# Altium PCB MCU.PcbDoc (part 2 of 3)
Units mm, origin at the board's own origin, x right, y up, seen from the top; angles counter-clockwise.
Board outline 100 x 100 mm, 4 copper layers (Top Layer, GND, Power, Bottom Layer), stack 1.586 mm thick; 181 components, 168 nets, 706 pads, 351 vias.
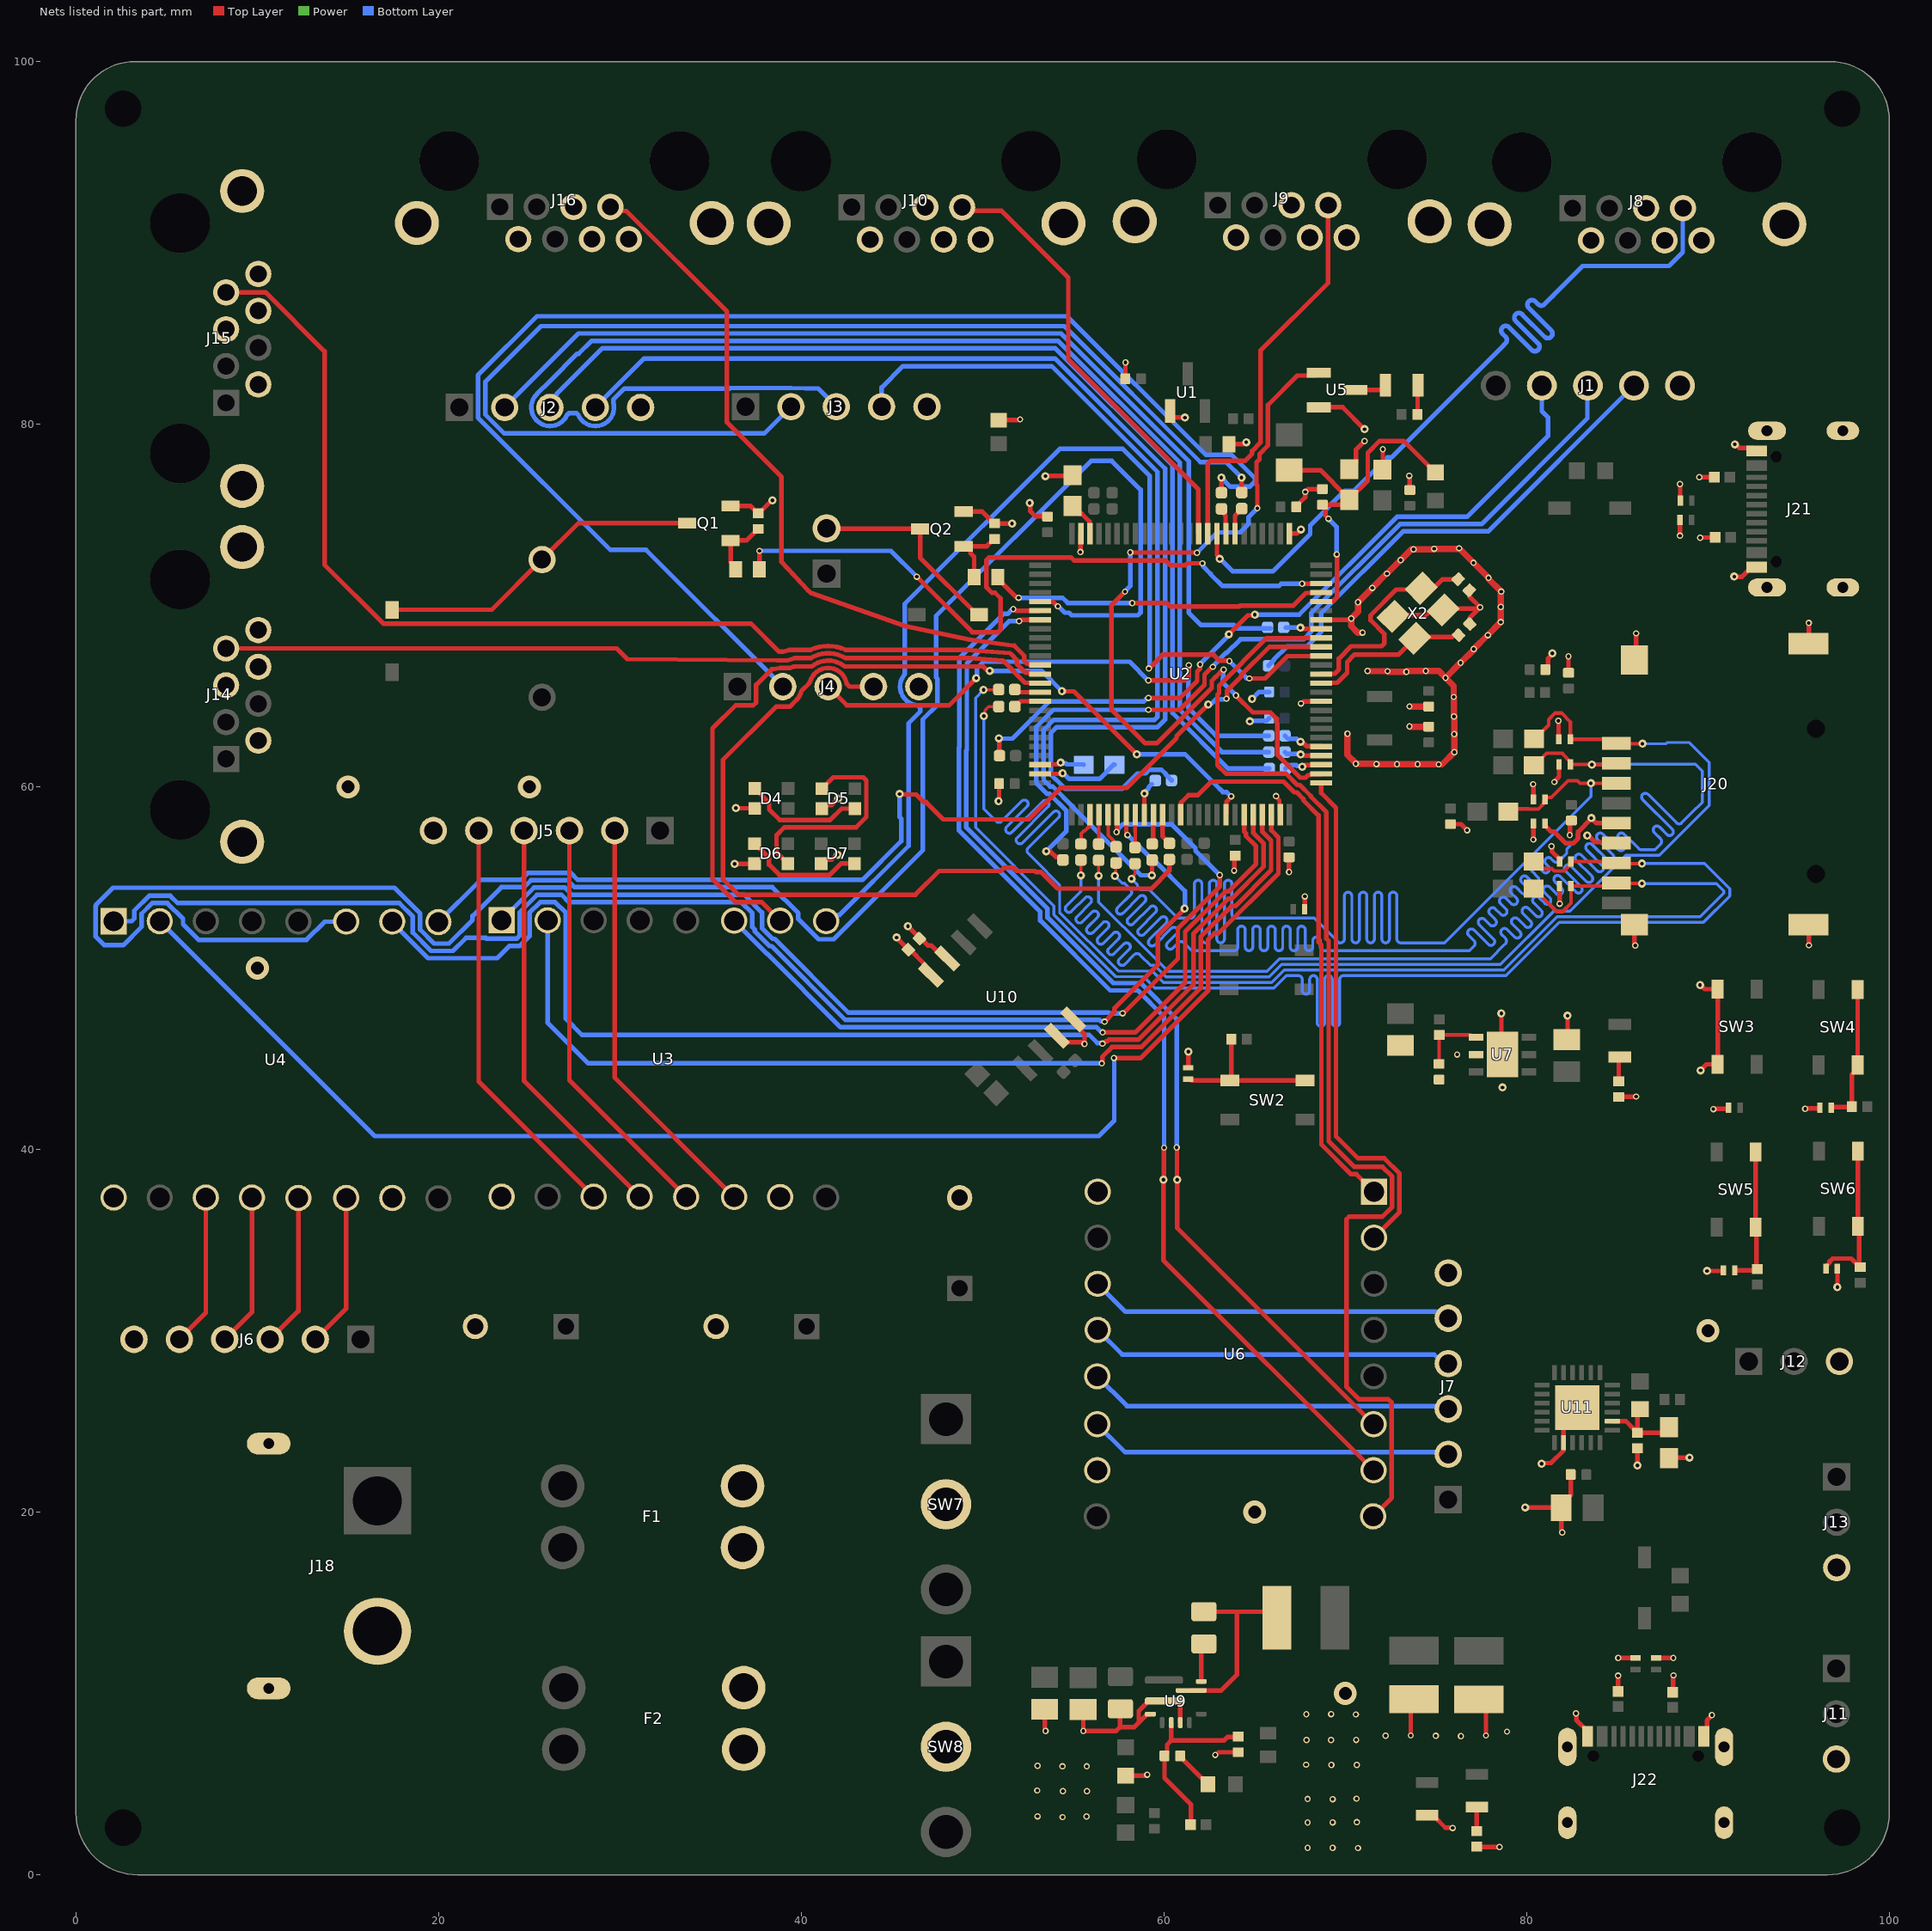
[diagram p4: the nets of this part, all layers, seen from the top]

## Via types
v1: diameter 0.35, hole 0.2, Top Layer to Bottom Layer, 187 vias
v2: diameter 0.45, hole 0.2, Top Layer to Bottom Layer, 141 vias
v3: diameter 0.6, hole 0.3, Top Layer to Bottom Layer, 17 vias
v4: diameter 1.27, hole 0.711, Top Layer to Bottom Layer, 6 vias

## Nets (pads, with @x,y where several pads share a name; then routed paths per layer and width w, separated by ;. In a path a pad name is that pad's centre, name@x,y a point inside that pad or via, vN(x,y) a via of type N, cw(c..) or ccw(c..) an arc to the next point about the centre after c; other vN are vias at no path point) (continued)
Buzzer: R2.1 U2.23 | length 39.9
  Top Layer w0.254: R2.1@37.68,72.01 37.69,72.02 37.69,73.01 v1(37.7,73.02) ; v1(46.37,71.59) 49.43,68.53 50.841,68.53 50.99,68.679 50.99,70.4 50.682,70.708 50.511,70.708 50.2,71.018 50.2,72.509 50.349,72.658 54.876,72.658 55.054,72.48 60.103,72.48 60.366,72.218 61.174,72.218 61.286,72.33 v1(62.12,72.33) ; v1(67.62,71.202) 67.629,71.211 68.661,71.211 U2.23@68.67,71.22
  Bottom Layer w0.254: v1(37.7,73.02) 44.94,73.02 v1(46.37,71.59) ; v1(62.12,72.33) 62.138,72.312 62.138,72.188 62.579,71.748 62.579,71.721 63.222,71.078 66.341,71.078 66.465,71.202 v1(67.62,71.202)
GND: C1.1 C2.1 C4.2 C5.2 C7.1 C8.2 C9.2 C11.1 C12.2 C13.2 C14.1 C15.2 C16.1 C17.2 C18.1 C19.1 C20.1 C21.1 C22.1 C23.1 C24.1 C25.1 C26.1 C28.1 C29.1 C30.1 C31.1 C32.1 C34.1 C35.1 C36.1 C36.2 C37.1 C38.1 C39.2 CR1.1 CR2.1 CR3.1 CR4.1 CR5.1 CR6.1 CR7.1 CR8.1 CR9.1 CR10.2 CR11.2 CR12.2 CR13.2 CR14.2 CR15.2 CR16.2 D4.2 D5.2 D6.2 D7.2 D11.2 J1.5 J2.5 J3.5 J4.5 J5.6 J6.6 J7.6 J8.2 J8.5 J8.6 J8.8 J8.SH1 J8.SH2 J9.2 J9.5 J9.6 J9.8 J9.SH1 J9.SH2 J10.2 J10.5 J10.6 J10.8 J10.SH1 J10.SH2 J11.3 J12.3 J13.3 J14.2 J14.5 J14.6 J14.8 J14.SH1 J14.SH2 J15.2 J15.5 J15.6 J15.8 J15.SH1 J15.SH2 J16.2 J16.5 J16.6 J16.8 J16.SH1 J16.SH2 J18.SH1 J18.SH2 J19.1 J20.6 J20.G1 J20.G2 J20.G3 J20.G4 J21.A1_B12 J21.B1_A12 J21.SH1 J21.SH2 J21.SH3 J21.SH4 J22.A1_B12 J22.B1_A12 J22.SH1 J22.SH2 J22.SH3 J22.SH4 Q1.2 Q2.2 R5.1 R7.1 R8.1 R24.1 R27.1 R32.1 R34.1 R47.2 R48.2 R51.1 R52.2 R53.2 SW3.1 SW3.2 U1.1 U2.10 U2.19 U2.26 U2.49 U2.74 U2.99 U5.2 U7.2 U7.7 U9.3 U9.9 U9.10 U10.3 U10.4 U10.7 U10.8 U11.2 U11.25 X2.2 X2.4 | length 174.1
  Top Layer w0.2: v1(66.18,59.49) 66.18,59.449 66.37,59.259 66.37,58.52 U2.99@66.42,58.47
  Top Layer w0.254: Q1.2@36.1,75.5 37.182,75.5 37.59,75.092 37.65,75.092 38.358,75.8 v2(38.41,75.8) ; v2(36.32,55.75) 36.33,55.76 37.415,55.76 D6.2@37.425,55.77 ; v2(36.39,58.83) 36.4,58.82 37.425,58.82 D4.2@37.435,58.81 ; D7.2@41.1,55.77 41.323,55.993 41.68,55.993 41.947,56.26 v2(42,56.26) ; D5.2@41.13,58.8 41.32,58.99 41.67,58.99 v2(42.03,59.35) ; v2(45.25,51.69) 45.25,51.685 45.905,51.03 C36.1@45.905,51.025 ; v2(45.88,52.32) 45.88,52.295 46.515,51.66 C36.2@46.515,51.635 ; C36.1@45.945,51.065 46.801,50.208 46.801,49.981 U10.8@47.151,49.631 ; C36.2@46.555,51.675 46.975,51.256 47.16,51.256 47.888,50.529 U10.7@48.049,50.529 ; Q2.2@48.95,75.18 49.984,75.18 50.63,74.534 R8.1@50.66,74.534 50.667,74.527 51.613,74.527 v2(51.62,74.52) ; v2(50.88,59.21) 50.906,59.236 C19.1@50.906,60.18 ; C23.1@50.88,80.228 52.002,80.228 52.044,80.27 v1(52.07,80.27) ; v2(52.59,75.66) 52.628,75.622 52.628,75.196 52.899,74.924 53.566,74.924 C18.1@53.58,74.91 ; U2.74@53.17,60.72 54.38,60.72 v2(54.409,60.749) ; C28.1@53.43,9.13 53.43,7.996 53.47,7.956 v1(53.47,7.93) ; v2(53.46,77.14) 53.47,77.15 54.91,77.15 C13.2@54.95,77.19 ; U10.3@54.102,46.272 54.452,45.922 55.492,45.922 55.594,45.82 v1(55.62,45.82) 55.625,45.825 55.625,46.348 55,46.972 U10.4@55,47.17 ; v1(55.39,72.95) 55.405,72.965 55.405,73.955 U2.49@55.42,73.97 ; C29.1@55.54,9.11 55.55,9.1 v1(55.55,7.93) 57.36,7.93 57.58,8.15 ; C30.1@57.6,9.152 57.58,9.132 57.58,8.15 ; C1.1@57.868,82.51 57.874,82.516 57.874,83.404 v1(57.88,83.41) ; R32.1@57.89,5.47 59.004,5.47 59.054,5.52 v1(59.08,5.52) ; U9.10@59.25,8.86 59.079,8.86 58.61,8.391 ; U1.1@60.35,80.73 60.35,80.527 60.507,80.37 v2(61.16,80.37) ; U9.3@60.9,8.39 60.898,8.392 60.898,9.507 60.825,9.58 U9.9@60,9.58 59.15,9.58 58.61,9.04 58.61,8.391 ; CR2.1@61.33,44.508 61.34,44.518 61.34,45.39 v2(61.35,45.4) ; v1(62.83,6.61) 62.856,6.61 63.004,6.758 J19.1@64.09,6.758 ; R5.1@63.59,78.9 64.377,78.9 64.487,79.01 v2(64.54,79.01) ; v1(63.87,55.38) 63.888,55.398 63.888,56.166 R24.1@63.93,56.208 ; v1(66.9,55.3) C20.1@66.9,56.118 ; U2.26@66.92,73.97 67.321,73.97 67.551,74.2 v2(67.56,74.2) ; C22.1@67.292,75.44 67.292,75.47 67.79,75.968 v1(67.79,76.27) 67.816,76.27 67.97,76.424 C14.1@68.74,76.424 ; v1(67.56,64.6) 67.586,64.6 67.689,64.703 68.653,64.703 U2.10@68.67,64.72 ; CR1.1@67.757,53.25 67.764,53.256 67.764,53.954 v1(67.77,53.96) ; U5.2@68.23,80.937 69.853,80.937 v2(71.06,79.73) ; U2.19@68.67,69.22 70.234,69.22 70.304,69.29 v1(70.33,69.29) ; C15.2@70.22,77.522 70.593,77.895 70.593,78.603 v1(71.06,79.07) ; C17.2@72.05,77.5 72.07,77.52 v1(72.07,78.62) ; X2.2@72.64,69.4 72.711,69.471 74.446,69.471 74.729,69.754 X2.4@75.398,69.754 75.468,69.824 77.338,69.824 77.414,69.9 v1(77.44,69.9) ; v1(73.53,77.16) 73.545,77.145 73.545,76.385 C16.1@73.56,76.37 ; v1(73.61,7.68) 73.61,9.509 C31.1@73.78,9.679 ; D11.2@74.51,3.28 74.835,3.28 75.517,2.598 75.902,2.598 v1(75.92,2.58) ; C34.1@75.8,57.946 76.384,57.946 v1(76.72,57.61) ; C4.2@76.835,70.845 76.814,70.823 76.814,70.621 76.835,70.6 76.835,70.505 v1(77.44,69.9) ; C5.2@76.861,68.981 76.84,69.002 76.84,69.204 76.861,69.226 76.861,69.321 v1(77.44,69.9) ; R34.1@77.24,1.548 77.249,1.539 78.491,1.539 v1(78.5,1.53) ; C32.1@77.37,9.668 77.76,9.278 v1(77.76,7.68) ; v2(78.61,47.51) 78.61,45.3 U7.7@78.67,45.24 ; v2(79.92,20.26) 81.9,20.26 C38.1@81.91,20.25 ; v1(80.36,60.15) 80.372,60.137 80.372,59.323 CR9.1@80.385,59.31 ; v1(80.37,57.09) 80.377,57.097 80.377,57.972 CR11.2@80.385,57.98 ; v2(80.83,22.67) 80.868,22.708 81.34,22.708 82.037,23.404 82.037,23.827 U11.2@82.04,23.83 82.04,25.015 U11.25@82.79,25.765 ; C7.1@81.032,66.47 81.175,66.613 81.175,67.072 81.42,67.317 v2(81.42,67.37) ; v1(81.376,56.724) 81.395,56.705 81.395,56.435 81.813,56.017 CR12.2@81.813,55.89 ; v1(81.53,60.27) 81.53,60.296 81.785,60.551 CR8.1@81.785,61.24 ; v1(81.75,63.65) 81.763,63.637 81.763,62.643 CR7.1@81.775,62.63 ; CR10.2@81.81,54.53 81.816,54.524 81.816,53.563 v1(81.821,53.557) ; v1(81.96,18.88) 81.96,18.906 81.91,18.956 C38.1@81.91,20.25 ; C25.1@82.22,46.06 82.26,46.1 v2(82.26,47.38) ; C2.1@82.31,66.292 v1(82.31,67.2) ; v1(82.38,57.34) 82.398,57.358 82.398,58.076 C35.1@82.47,58.148 ; C37.1@82.43,22.07 82.43,20.93 81.91,20.41 C38.1@81.91,20.25 ; v1(82.72,8.9) 82.738,8.882 82.738,8.537 83.37,7.905 J22.A1_B12@83.37,7.63 ; v2(83.345,57.321) 83.398,57.321 83.769,56.95 84.554,56.95 84.727,57.123 J20.6@84.95,56.9 ; R52.2@85.04,10.12 v1(85.04,10.98) ; v1(85.05,11.96) 85.051,11.959 CR16.2@86.01,11.957 CR16.2@86.01,11.957 ; R27.1@85.08,42.896 85.092,42.908 86.028,42.908 v1(86.04,42.92) ; J20.G1@85.95,52.4 85.95,51.316 85.99,51.276 v1(85.99,51.25) ; J20.G4@85.95,67 86.04,67.09 v1(86.04,68.47) ; v2(86.11,22.58) R51.1@86.11,23.516 ; CR15.2@87.14,11.955 87.143,11.957 v1(88.091,11.957) ; C39.2@87.86,22.98 87.89,23.01 v2(88.99,23.01) ; R53.2@88.05,10.07 88.082,10.102 88.082,10.982 v1(88.1,11) ; v1(88.46,73.85) 88.463,73.852 88.463,74.728 CR14.2@88.465,74.73 ; v1(88.46,76.7) 88.467,76.693 88.467,75.798 CR13.2@88.475,75.79 ; v1(89.52,77.08) R48.2@90.36,77.08 ; v2(89.56,49.07) 89.604,49.07 89.829,48.845 SW3.2@90.535,48.845 SW3.1@90.535,44.695 89.925,44.695 v2(89.59,44.36) ; v1(89.57,73.74) 89.58,73.75 90.4,73.75 R47.2@90.41,73.76 ; J22.B1_A12@89.77,7.63 89.943,7.803 89.943,8.507 90.22,8.784 v1(90.22,8.81) ; v2(89.95,33.3) 90.817,33.3 90.843,33.325 CR5.1@90.843,33.33 ; v1(90.3,42.23) 90.318,42.248 91.12,42.248 91.145,42.274 CR3.1@91.145,42.3 ; v2(91.45,71.6) 91.462,71.588 91.878,71.588 92.41,72.12 J21.A1_B12@92.685,72.12 ; v2(91.48,78.89) 91.533,78.89 91.73,78.693 92.512,78.693 J21.B1_A12@92.685,78.52 ; v1(95.36,42.25) 95.378,42.268 96.145,42.268 96.17,42.294 CR4.1@96.17,42.3 ; J20.G2@95.55,52.4 95.57,52.38 v1(95.57,51.26) ; J20.G3@95.55,67.9 95.56,67.91 v1(95.56,69.04) ; v2(97.14,32.41) CR6.1@97.14,33.43 ; 57.58,8.15 58.369,8.15 58.61,8.391
  Top Layer w0.35: v1(70.12,62.93) 70.12,61.76 70.58,61.3 v1(70.58,61.27) 71.71,61.27 v1(71.72,61.26) 72.84,61.26 v1(72.85,61.25) v1(73.99,61.25) 75.14,61.25 v1(75.15,61.24) 75.34,61.24 v1(76.02,61.92) 76.02,62.9 v1(76.01,62.91) 76.01,63.86 v1(75.99,63.88) 75.99,64.95 v1(75.98,64.96) 75.98,65.57 v1(75.53,66.02) ; v1(70.95,68.51) 70.69,68.51 70.33,68.87 v1(70.33,69.29) 70.7,69.66 v1(70.7,70.19) v1(71.485,70.975) v1@72.27,71.76 ; v1(71.23,66.39) 71.24,66.38 v1(72.33,66.38) 72.36,66.35 v1(73.37,66.35) 73.41,66.39 v1(74.44,66.39) 75.16,66.39 v1(75.53,66.02) ; v1(72.29,71.76) 73.04,72.51 v1(73.05,72.51) 73.64,73.1 74.87,73.1 v1(74.9,73.13) 76.25,73.13 v1(76.277,73.157) 77.07,72.364 v1(77.07,72.36) v1(77.9,71.53) 77.9,71.47 v1(78.6,70.77) 78.58,70.75 v1(78.58,69.93) v1(78.58,69.09) v1(77.86,68.37) 77.85,68.37 v1(77.08,67.6) ; v1(73.54,63.34) 73.558,63.322 C8.2@74.6,63.322 ; v1(73.54,64.44) 73.552,64.428 C9.2@74.6,64.428 ; v1@77.1,67.58 v1(76.36,66.84) 76.35,66.84 v1(75.53,66.02) ; R52.2@85.04,10.12 R52.2@85.05,10.11
  Bottom Layer w0.254: v2(54.409,60.749) 54.462,60.749 54.769,60.443 56.443,60.443 57.22,61.22 C12.2@57.27,61.22 ; v2(64.73,63.61) 64.768,63.648 65.664,63.648 C11.1@65.796,63.78 ; v2(64.865,64.855) 65.25,65.24 C21.1@65.798,65.24
  other v1: 67.92,1.48 69.3,1.48 70.7,1.47 67.92,2.88 69.3,2.89 70.64,2.9 54.41,3.18 55.73,3.21 53.03,3.22 69.3,4.17 67.92,4.18 70.62,4.2 54.43,4.61 55.75,4.61 53.01,4.65 54.4,5.98 55.74,5.98 53.03,6.01 67.84,6.07 69.23,6.06 70.64,6.06 67.86,7.43 69.21,7.43 70.6,7.44 76.38,7.65 72.22,7.67 74.99,7.66 78.916,7.894 67.85,8.85 70.58,8.84 69.22,8.86 76.17,45.24 73.76,73.1
  other v2: 78.67,43.42
  other v4: 70,10 65,20 90,30 10,50 15,60 25,60
GND_MOTOR: C3.2 C6.2 C10.2 J18.2 U3.9 U3.15 U4.9 U4.15 U6.9 U6.15
Gripper_LED_PWM: R3.1 U2.22 | length 18.9
  Top Layer w0.254: R3.1@50.83,71.58 50.83,71.48 51.882,70.428 v1(51.982,70.428) ; v1(58.25,70.14) 60.158,70.14 60.352,69.946 64.149,69.946 64.205,70.002 67.135,70.002 67.83,70.697 68.647,70.697 U2.22@68.67,70.72
  Bottom Layer w0.254: v1(51.982,70.428) 54.402,70.428 54.69,70.14 v1(58.25,70.14)
LED: U2.2 U5.1 | length 45.3
  Top Layer w0.254: v1(57.85,70.768) 57.1,70.018 57.1,64.28 58.97,62.41 59.596,62.41 62.638,65.452 62.638,65.848 62.882,66.092 62.886,66.092 63.264,66.47 v1(63.29,66.47) ; v1(58.14,72.932) 58.151,72.921 61.809,72.921 v1(61.82,72.91) ; v1(63.972,65.041) 63.972,65.038 64.9,64.11 65.87,64.11 66.22,63.76 66.22,63.53 66.26,63.49 66.26,61.77 67.525,60.505 67.813,60.505 67.955,60.647 68.048,60.647 68.098,60.697 68.647,60.697 U2.2@68.67,60.72 ; v1(65.15,75.37) 65.15,76.618 65.1,76.668 65.1,77.89 65.266,78.056 65.266,78.357 65.73,78.821 65.73,81.06 67.36,82.69 68.382,82.69 U5.1@68.534,82.842
  Bottom Layer w0.254: v1(57.85,70.768) 57.85,70.794 58.14,71.084 v1(58.14,72.932) ; v1(61.82,72.91) 62.95,74.04 64.2,74.04 64.666,74.506 64.666,74.886 v1(65.15,75.37) ; v1(63.29,66.47) 63.272,66.452 63.272,66.012 63.24,65.98 63.24,65.77 63.641,65.369 63.658,65.369 63.972,65.055 v1(63.972,65.041)
M1_DIR: U2.81 U3.1 | length 56.4
  Top Layer w0.254: v1(57.38,57.503) 57.38,57.529 57.42,57.569 U2.81@57.42,58.47 ; v1(57.72,47.512) 57.746,47.512 57.834,47.6 57.85,47.6 60.766,50.516 60.766,52.188 63.073,54.495 v1(63.073,55.141)
  Bottom Layer w0.254: U3.1@23.47,52.64 24.068,53.238 24.068,53.258 25.26,54.45 26.951,54.45 27.355,54.046 36.854,54.046 37.831,53.069 37.831,52.204 38.418,51.617 38.535,51.617 42.602,47.55 56.938,47.55 56.976,47.512 v1(57.72,47.512) ; v1(57.38,57.503) 57.38,57.529 57.468,57.617 57.468,57.677 57.733,57.942 60.418,57.942 61.736,56.624 61.736,56.477 v1(63.073,55.141)
M1_EN: U2.15 U3.8 | length 59.7
  Top Layer w0.254: v1(59.17,66.53) 59.932,67.292 62.738,67.292 63.072,66.958 63.592,66.958 v1(63.61,66.94) ; v1(64.71,65.98) 65.575,65.98 66.805,67.21 68.66,67.21 U2.15@68.67,67.22
  Bottom Layer w0.254: U3.8@41.373,52.593 41.697,52.593 42.03,52.926 42.096,52.926 45.92,56.75 45.92,63.512 46.56,64.152 46.56,64.257 46.56,64.362 46.485,64.436 46.421,64.501 cw(c46.48,65.53) 45.652,66.144 ccw(c45.447,66.295) 45.701,66.295 45.701,70.091 54.25,78.64 57.73,78.64 59.22,77.15 59.22,66.606 v1@59.139,66.525 ; v1(63.61,66.94) 64.552,65.998 64.692,65.998 v1(64.71,65.98)
M1_ENC_CS: J8.7 U2.34 | length 46.5
  Top Layer w0.254: U2.34@62.92,73.97 62.92,72.772 63.071,72.621 v2(63.071,72.568)
  Bottom Layer w0.254: v2(63.071,72.568) 63.108,72.568 63.79,71.886 66.006,71.886 68.062,73.942 68.062,74.421 69.967,76.326 70.478,76.326 72.319,78.168 72.538,78.168 78.745,84.375 78.835,84.465 ccw(c78.655,84.644) 78.835,84.824 78.67,84.989 cw(c78.849,85.169) 78.67,85.348 cw(c78.849,85.169) 79.029,85.348 80.273,84.104 ccw(c80.453,84.283) 80.633,84.104 ccw(c80.453,84.283) 80.633,84.463 79.394,85.702 cw(c79.573,85.881) 79.394,86.061 cw(c79.573,85.881) 79.753,86.061 80.992,84.822 ccw(c81.171,85.002) 81.351,84.822 ccw(c81.171,85.002) 81.351,85.182 80.118,86.414 cw(c80.298,86.594) 80.118,86.774 cw(c80.298,86.594) 80.477,86.774 80.631,86.62 ccw(c80.81,86.8) 80.99,86.62 81.435,87.065 83.097,88.727 87.853,88.727 88.613,89.486 88.613,90.553 88.613,91.915 J8.7@88.628,91.92
M1_MS1: U2.93 U3.7 | length 47.8
  Top Layer w0.254: U3.7@38.833,52.619 37.806,53.646 36.361,53.646 35.1,54.907 35.1,63.22 36.379,64.499 37.349,64.499 37.511,64.661 37.511,65.631 38.367,66.487 38.84,66.551 cw(c38.98,65.53) 38.968,66.561 39.389,66.566 39.586,66.628 39.623,66.64 40.571,66.64 cw(c41.48,65.53) 42.326,66.689 cw(c41.48,65.53) 42.389,66.64 50.04,66.64 50.242,66.438 50.352,66.438 v2(50.39,66.4) ; v2(54.37,65.28) 54.379,65.271 55.029,65.271 v2(58.5,61.8) ; U2.93@63.42,58.47 63.443,58.493 63.443,59.187 63.71,59.454 v1(63.71,59.48)
  Bottom Layer w0.254: v2(50.39,66.4) 53.25,66.4 v2(54.37,65.28) ; v2(58.5,61.8) 61.156,61.8 63.076,59.88 63.082,59.88 63.247,59.716 63.449,59.716 63.684,59.48 v1(63.71,59.48)
M1_MS2: U2.95 U3.6 | length 39.8
  Top Layer w0.254: v1(56.62,46.458) 56.622,46.46 58.42,46.46 61.17,49.21 61.17,52.021 63.383,54.234 63.553,54.234 65.07,55.751 65.07,56.74 64.516,57.294 64.516,57.448 64.42,57.544 U2.95@64.42,58.47
  Bottom Layer w0.254: U3.6@36.293,52.619 37.023,51.889 37.023,51.869 38.083,50.809 38.103,50.809 42.17,46.742 56.283,46.742 56.567,46.458 v1(56.62,46.458)
M1_STEP: U2.97 U3.2 | length 56
  Top Layer w0.254: v1(56.57,44.75) 56.608,44.788 56.608,45.128 57.132,45.652 58.755,45.652 62.029,48.926 62.029,51.737 63.718,53.426 63.932,53.426 65.906,55.4 65.906,57.047 65.42,57.533 U2.97@65.42,58.47
  Bottom Layer w0.254: U3.2@26.01,52.64 26.01,46.995 28.255,44.75 v1(56.57,44.75)
M2_DIR: U2.82 U4.1 | length 77.4
  Top Layer w0.254: v1(56.73,47.048) 57.268,47.586 57.268,47.787 59.67,50.189 59.67,51.8 61.139,53.269 v2(61.139,53.291) ; U2.82@57.92,58.47 57.92,57.446 57.99,57.376 v1(57.99,57.35)
  Bottom Layer w0.254: U4.1@2.08,52.59 3.065,52.59 3.214,52.739 3.214,53.172 4.038,53.996 5.202,53.996 5.606,53.592 17.837,53.592 18.577,52.852 18.577,51.961 19.582,50.956 20.796,50.956 21.51,51.67 22.598,51.67 22.63,51.638 24.31,51.638 24.472,51.8 24.472,53.09 25.428,54.046 26.784,54.046 27.188,53.642 36.687,53.642 37.295,53.034 37.295,52.274 37.427,52.142 37.427,52.036 38.251,51.213 38.367,51.213 42.434,47.146 56.45,47.146 56.511,47.085 56.692,47.085 v1(56.73,47.048) ; v1(57.99,57.35) 59.557,55.783 59.627,55.783 61.15,54.26 61.15,53.302 v2(61.139,53.291)
M2_EN: U2.16 U4.8 | length 58.5
  Top Layer w0.254: v2(45.418,59.61) 45.444,59.584 46.324,59.584 46.75,59.158 46.882,59.158 47.836,58.204 52.55,58.204 54.286,59.94 57.949,59.94 60.692,62.683 60.692,62.796 v2(62.446,64.55) ; v1(63.45,64.867) 63.487,64.905 63.487,65.307 64.258,66.078 64.258,66.167 65.811,67.72 U2.16@68.67,67.72
  Bottom Layer w0.254: U4.8@19.983,52.543 22.314,54.874 24.542,54.874 24.926,55.258 27.286,55.258 27.67,54.874 43.374,54.874 45.516,57.016 45.516,58.237 45.418,58.335 v2(45.418,59.61) ; v2(62.446,64.55) 62.483,64.588 62.608,64.588 62.85,64.83 63.412,64.83 v1(63.45,64.867)
M2_ENC_CS: J9.7 U2.35 | length 21.8
  Top Layer w0.254: U2.35@62.42,73.97 62.42,77.831 62.569,77.98 64.47,77.98 64.862,78.372 64.862,78.525 65.326,78.989 65.326,84.066 69.049,87.789 J9.7@69.049,91.865
M2_MS1: U2.96 U4.7 | length 66.4
  Top Layer w0.254: v1(56.61,45.84) 56.663,45.84 56.781,45.958 56.867,45.958 56.965,46.056 58.587,46.056 61.625,49.094 61.625,51.904 63.551,53.83 63.72,53.83 65.5,55.61 65.5,56.881 64.92,57.461 U2.96@64.92,58.47
  Bottom Layer w0.254: U4.7@17.443,52.569 17.443,52.523 19.414,50.552 23.224,50.552 23.906,51.234 24.477,51.234 25.008,51.765 25.008,53.055 25.595,53.642 26.425,53.642 27.012,53.055 27.012,47.208 27.898,46.322 55.877,46.322 56.322,45.878 56.572,45.878 v1(56.61,45.84)
M2_MS2: U2.55 U4.6 | length 113
  Top Layer w0.254: U2.55@53.17,70.22 53.193,70.197 53.886,70.197 54.125,69.958 v1(54.151,69.958)
  Bottom Layer w0.254: U4.6@14.903,52.569 13.714,52.569 12.712,51.567 6.766,51.567 5.901,52.432 5.901,52.726 5.035,53.592 4.205,53.592 3.618,53.005 3.618,52.286 2.602,51.27 1.558,51.27 1.078,51.75 1.078,53.43 1.1,53.452 1.1,53.5 2.04,54.44 17.56,54.44 18.981,53.019 18.981,52.128 19.749,51.36 20.56,51.36 21.87,52.67 21.87,52.882 23.458,54.47 24.709,54.47 25.093,54.854 27.119,54.854 27.503,54.47 38.399,54.47 39.835,53.034 39.835,52.714 40.958,51.591 41.788,51.591 46.7,56.503 46.7,63.721 47.511,64.532 47.511,65.957 47.428,66.04 47.428,69.428 55.98,77.98 57.12,77.98 58.71,76.39 58.71,69.609 58.561,69.46 54.904,69.46 54.761,69.603 54.532,69.603 54.177,69.958 v1(54.151,69.958)
M2_STEP: U2.98 U4.2 | length 79.7
  Top Layer w0.254: v1(57.24,45.05) 58.724,45.05 62.433,48.759 62.433,51.57 62.8,51.937 63.017,51.937 66.31,55.23 66.31,57.214 65.92,57.604 U2.98@65.92,58.47
  Bottom Layer w0.254: U4.2@4.62,52.59 16.47,40.74 56.41,40.74 57.26,41.59 57.26,45.03 v1(57.24,45.05)
M3_DIR: U2.88 U6.1 | length 31.7
  Top Layer w0.254: U2.88@60.92,58.47 60.943,58.493 60.943,59.135 61.346,59.538 61.865,59.538 62.619,60.292 66.595,60.292 67.19,59.697 67.33,59.697 67.697,59.33 67.697,59.252 68.52,58.429 68.52,51.442 68.682,51.28 68.682,40.277 70.32,38.639 70.614,38.639 U6.1@71.581,37.671
M3_EN: U2.17 U6.8 | length 64
  Top Layer w0.254: U2.17@68.67,68.22 67.78,68.22 67.758,68.198 65.657,68.198 63.042,65.583 63.042,65.169 62.96,65.088 62.96,64.979 62.948,64.966 62.948,61.202 63.42,60.73 66.729,60.73 67.358,60.101 67.497,60.101 68.101,59.497 68.101,59.459 68.96,58.6 68.96,51.63 69.086,51.504 69.086,40.454 70.497,39.043 72.051,39.043 72.583,38.511 72.583,36.832 72.049,36.297 70.209,36.297 70.06,36.148 70.06,26.92 70.76,26.22 72.38,26.22 72.562,26.038 72.562,20.796 U6.8@71.535,19.768
M3_ENC_CS: J10.7 U2.36 | length 24.6
  Top Layer w0.254: J10.7@48.87,91.97 49.072,91.768 51.041,91.768 54.72,88.09 54.72,83.58 61.897,76.403 61.897,73.993 U2.36@61.92,73.97